# Altium PCB CSUEAF4_v2.0.PcbDoc (part 1 of 2)
Units mil, origin at the board's own origin, x right, y up, seen from the top; angles counter-clockwise.
Board outline 3947.04 x 3947.04 mil, 2 copper layers (Top Layer, Bottom Layer); 88 components, 107 nets, 436 pads, 170 vias.
Unrouted connection lines stored in the file: 67.
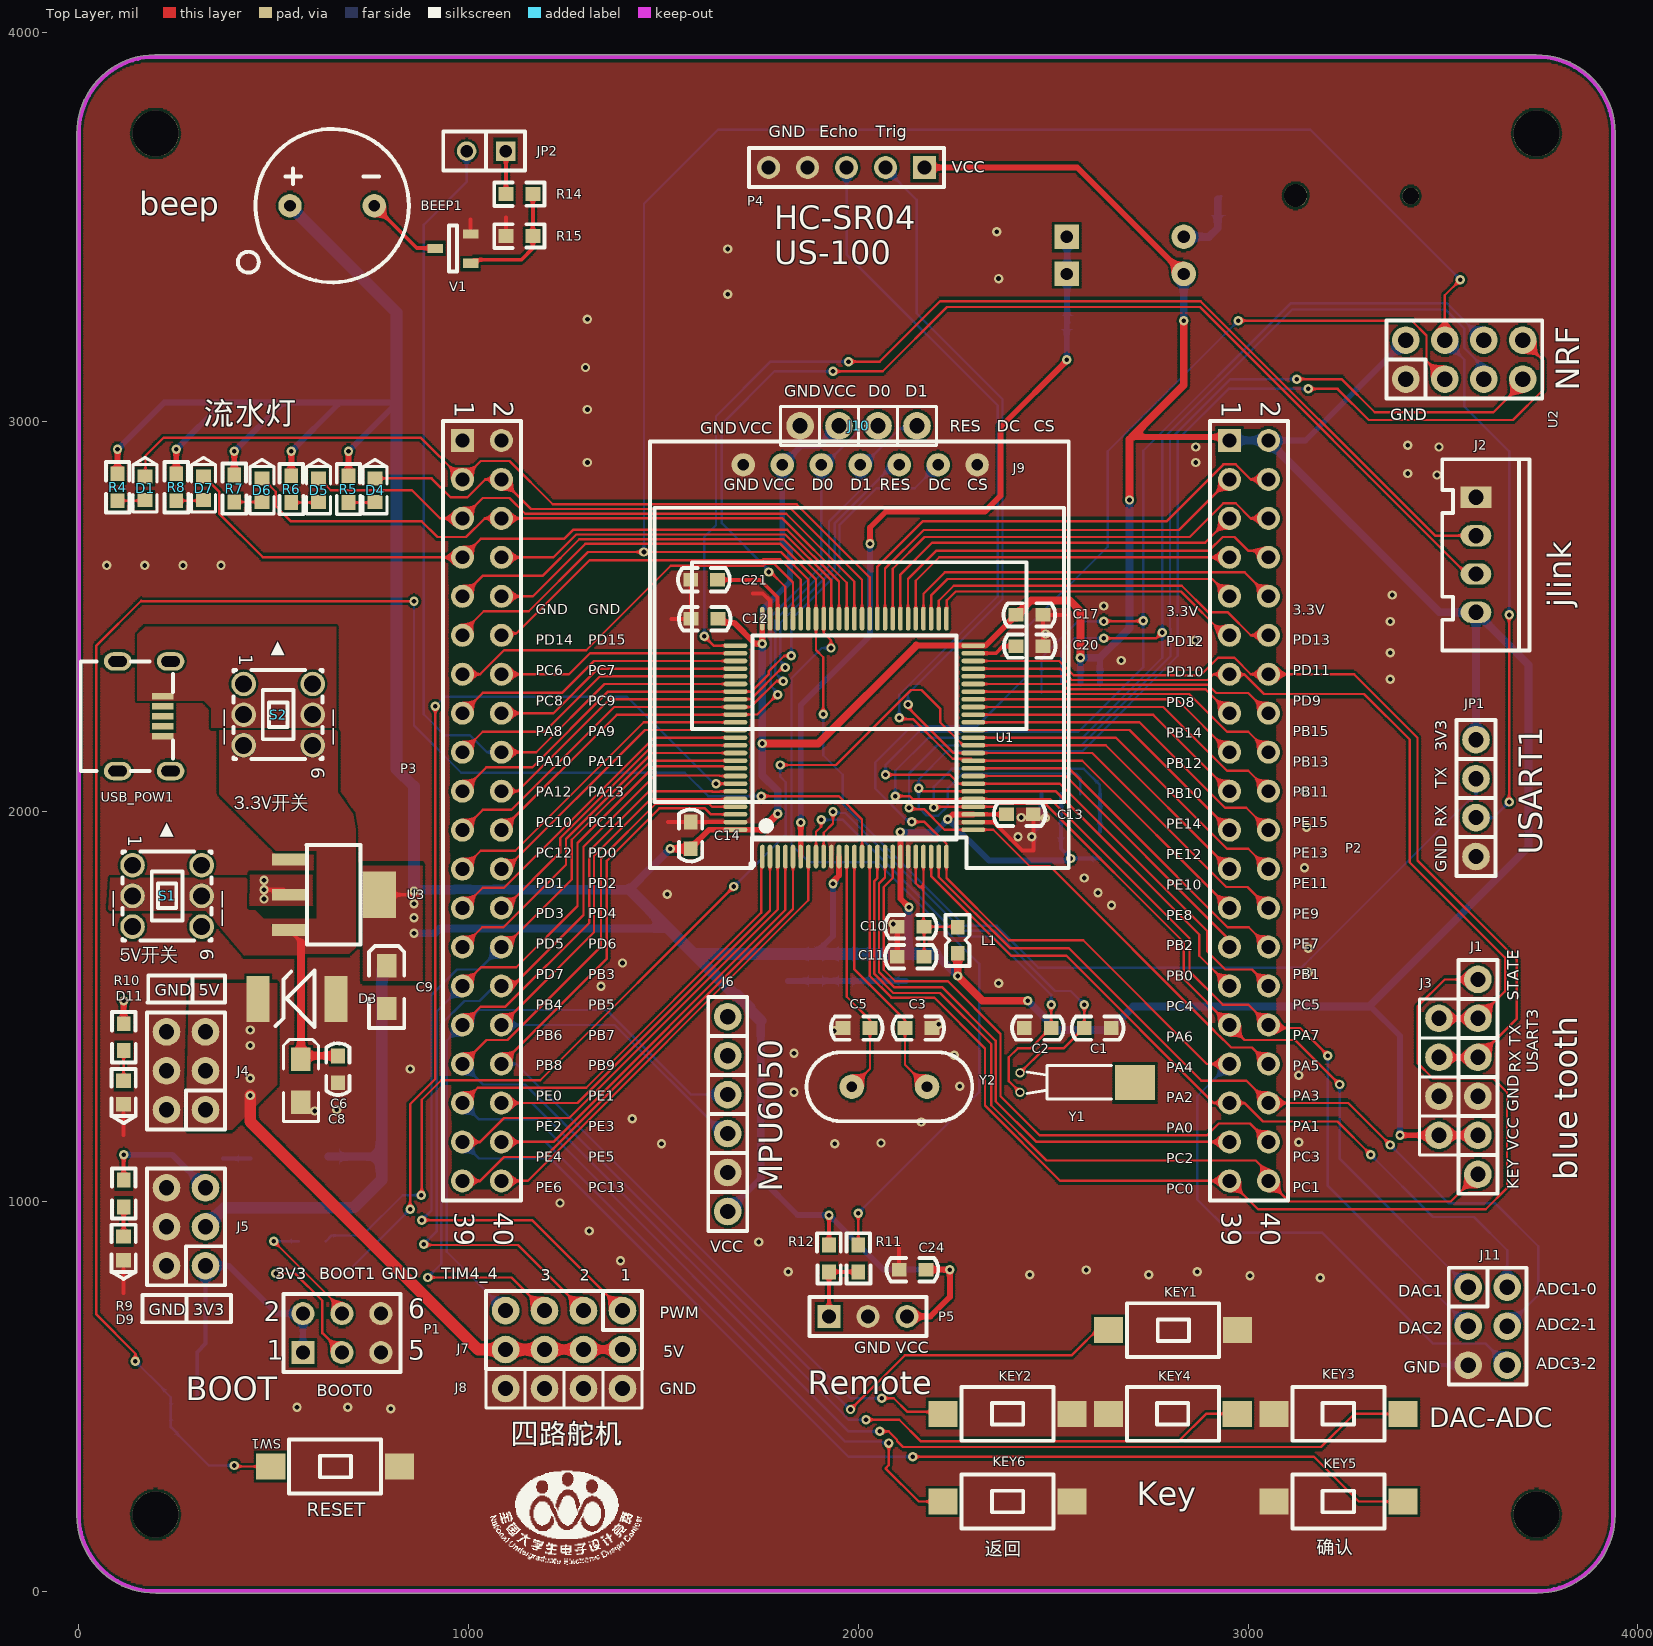
[diagram p0: Top Layer view]
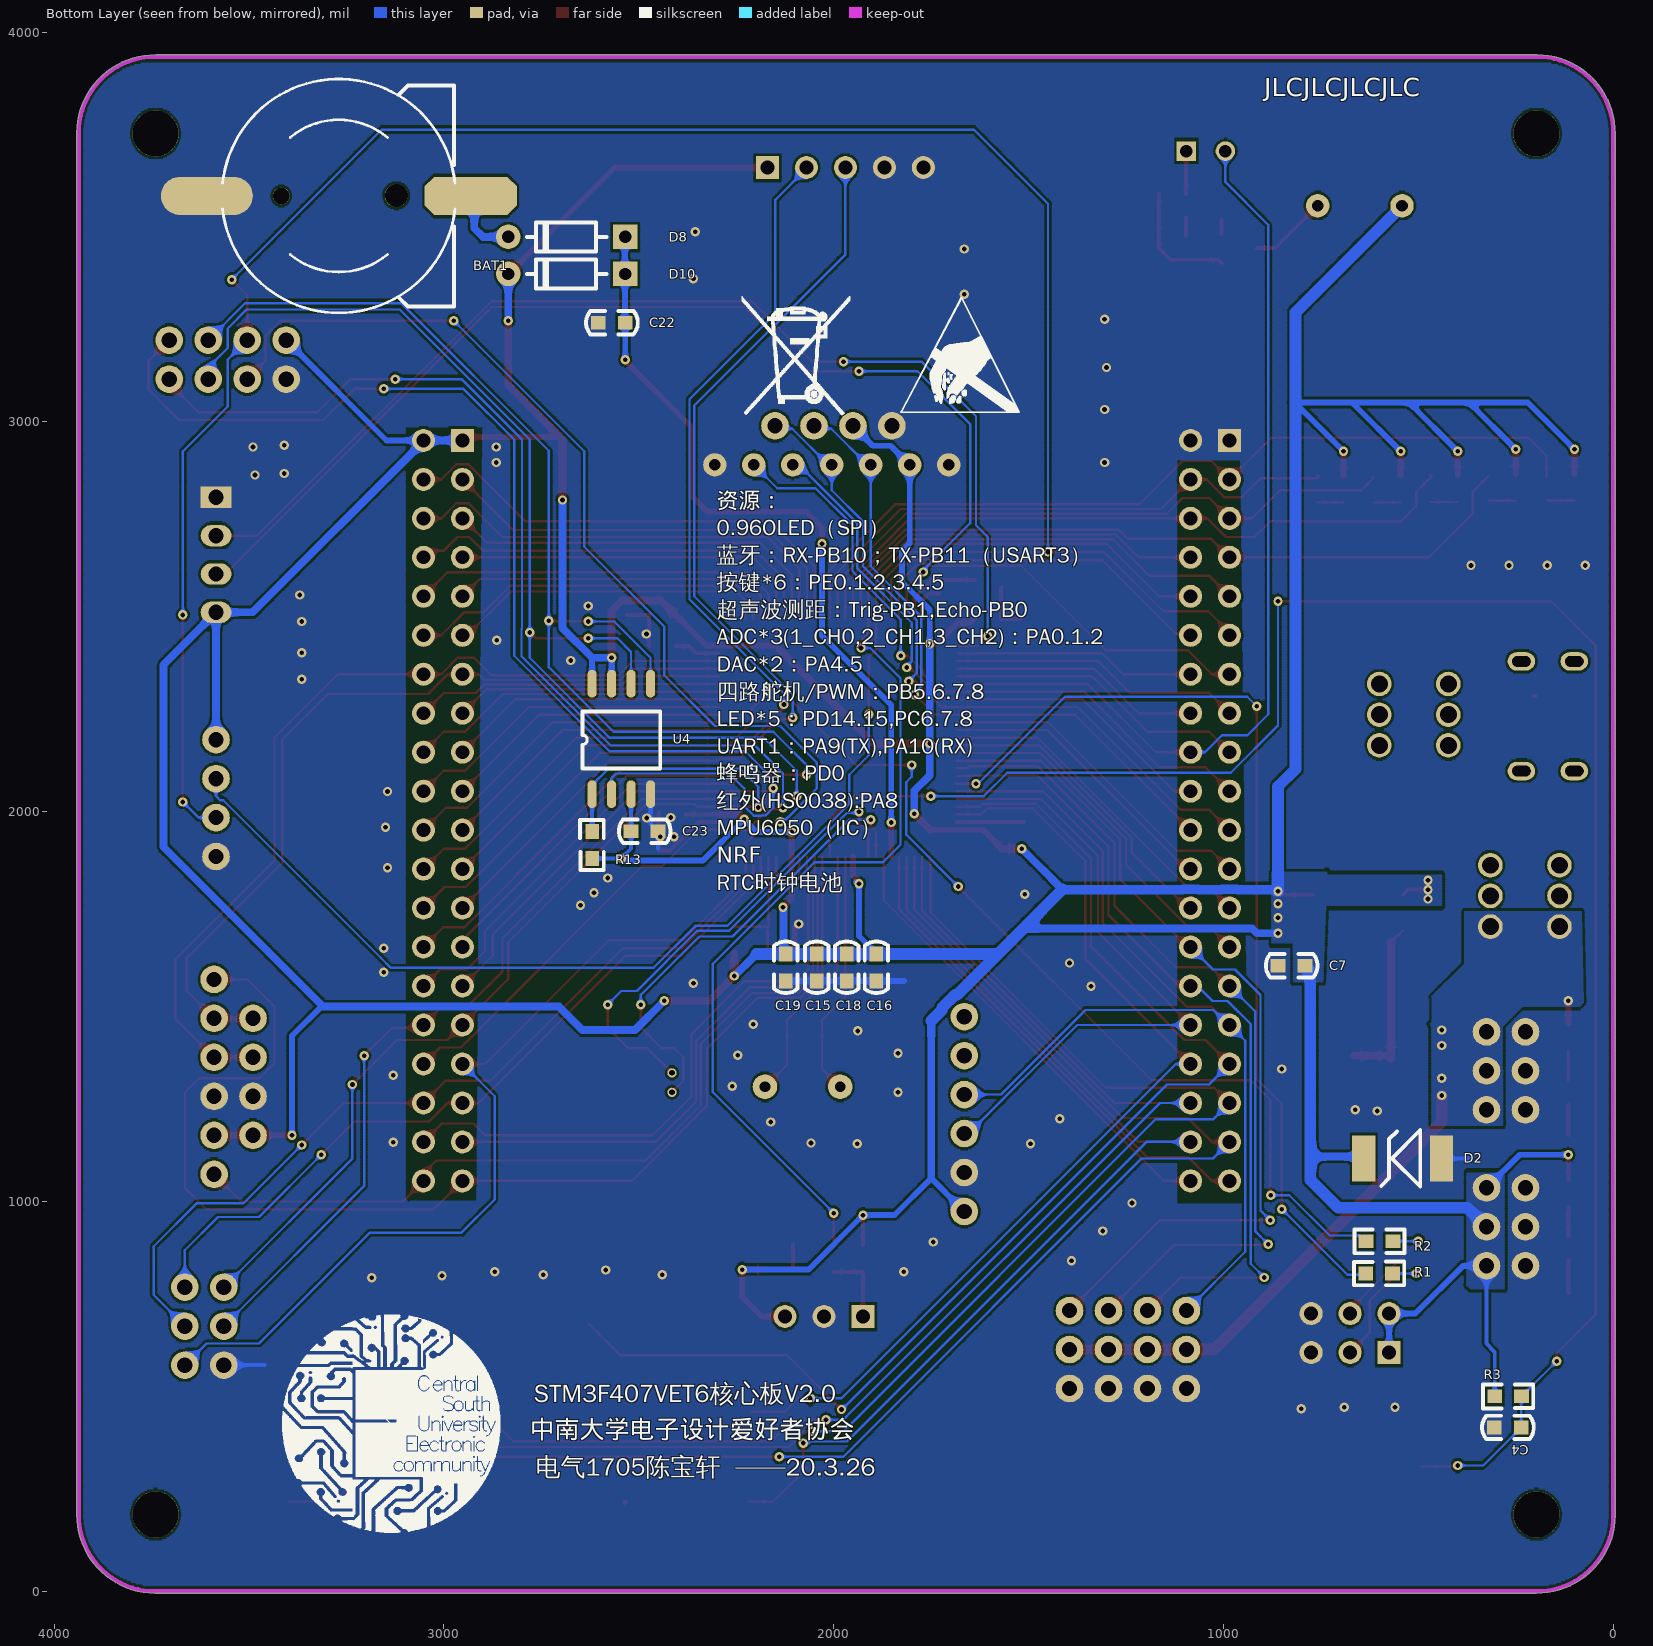
[diagram p1: Bottom Layer view, seen from below]
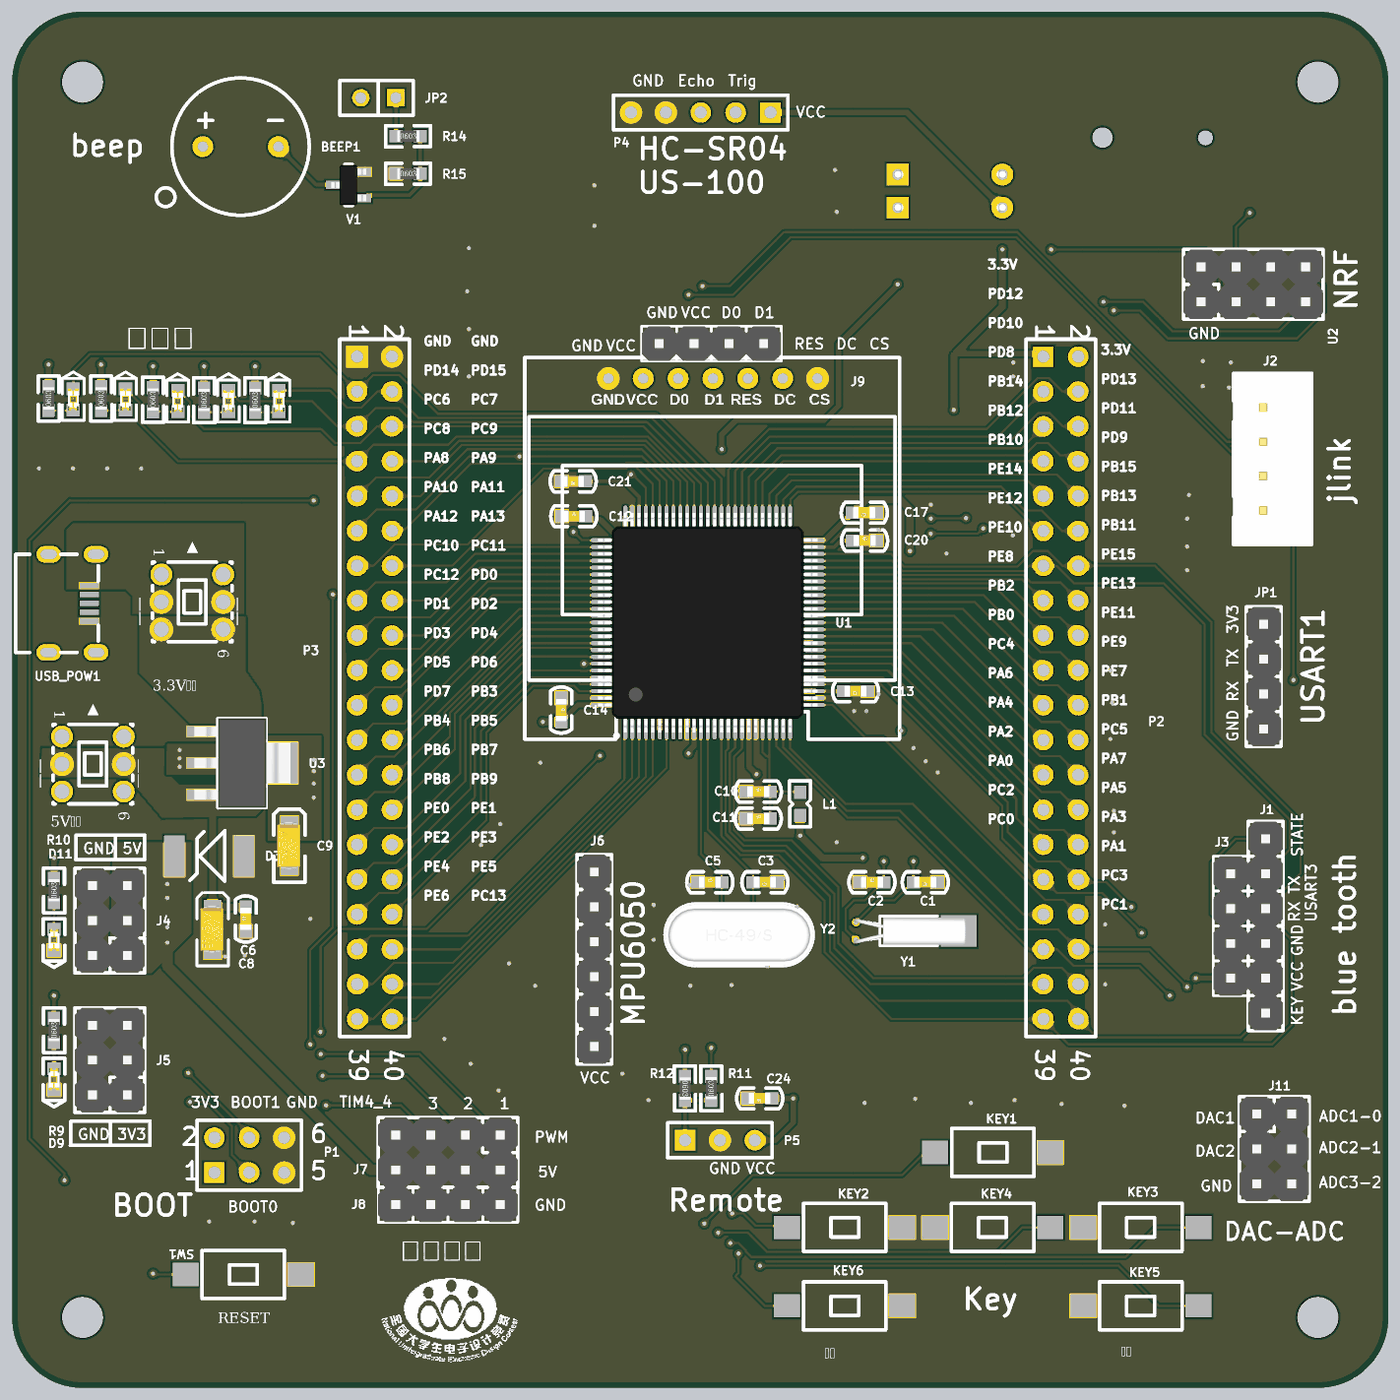
[diagram p3: 3D render of the assembled board from above, using the file's embedded part models]
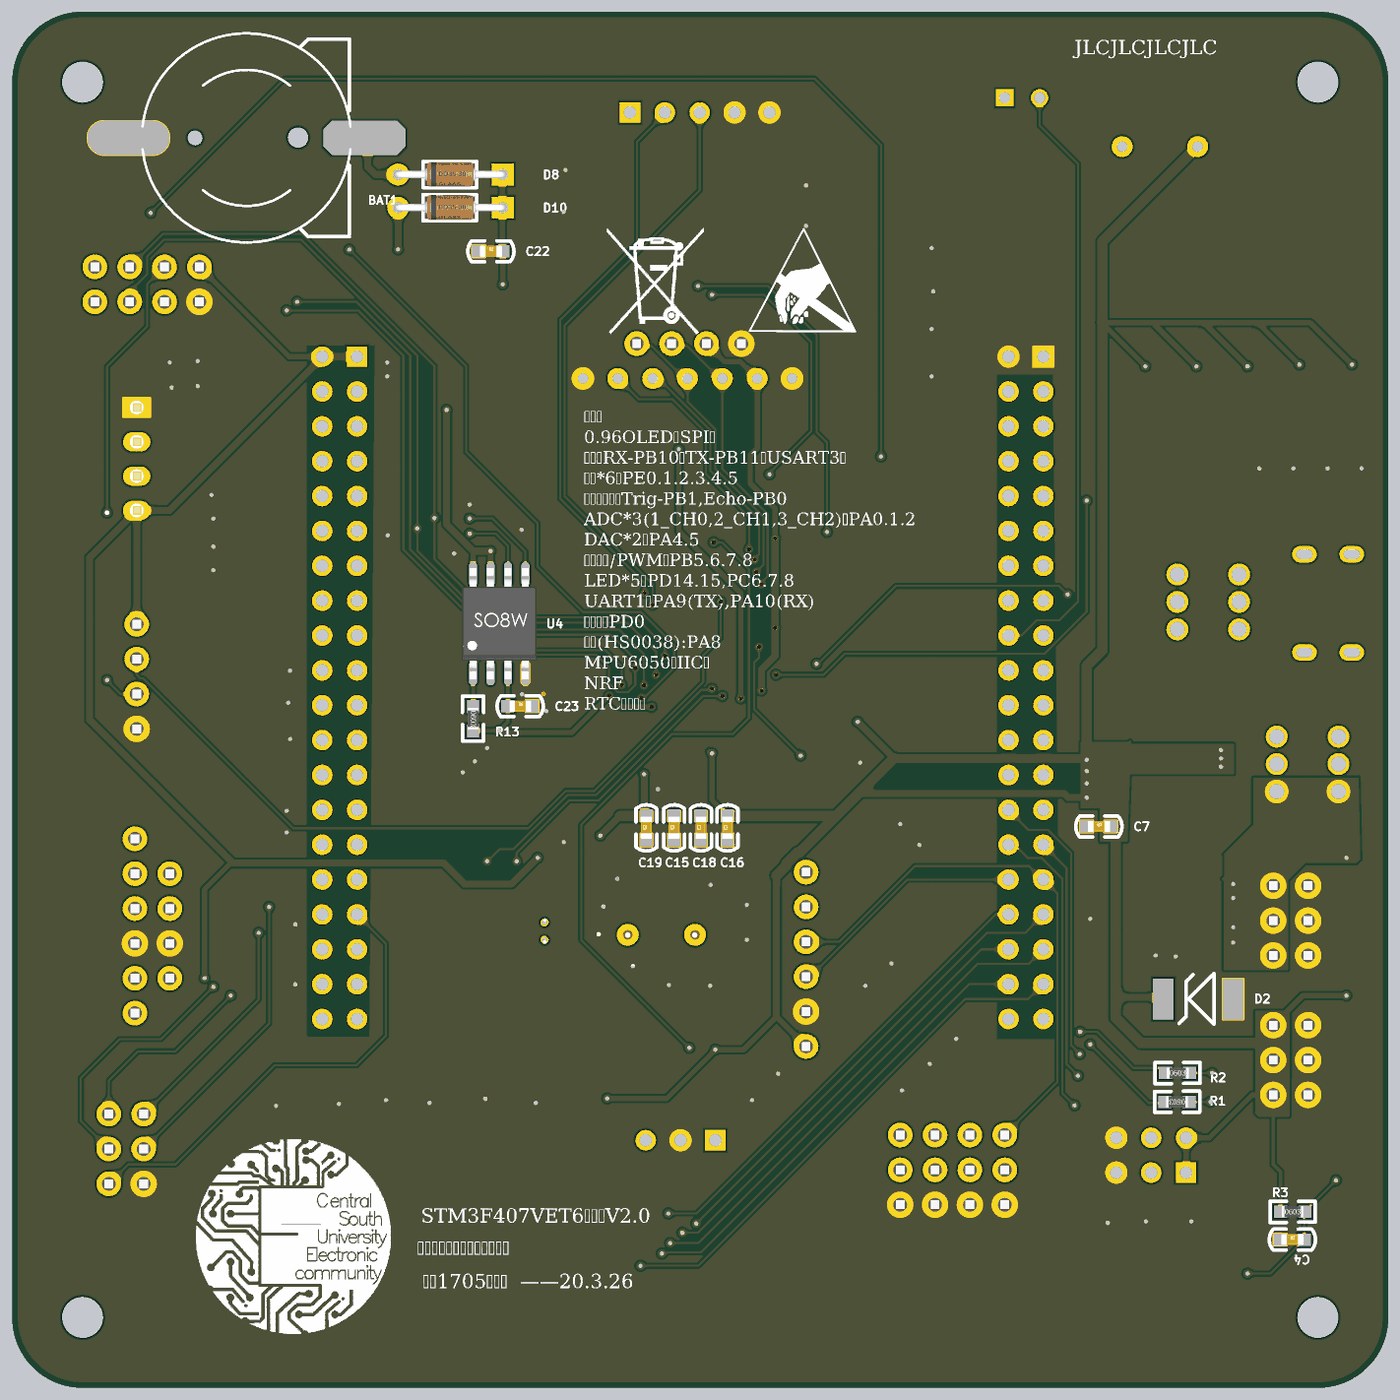
[diagram p4: 3D render of the assembled board from below, using the file's embedded part models]

## Layer stack, top to bottom
Top Solder: solder mask 0.4, Solder Resist, Dk 3.5
Top Layer: signal copper 1.4
Dielectric 1: dielectric 12.6, FR-4, Dk 4.8
Bottom Layer: signal copper 1.4
Bottom Solder: solder mask 0.4, Solder Resist, Dk 3.5

## Board outline
-5.01,194.97 cw(c0,195) -4.93,195.93 cw(c0,196.85) -5.01,196.85 -5.01,3739.98 cw(c196,3741) 194.97,3942.02 cw(c195,3937.01) 195.93,3941.94 cw(c196.85,3937.01) 196.85,3942.02 3739.98,3942.02 cw(c3741,3741) 3942.02,3742.03 cw(c3937.01,3742.01) 3942.02,3742.01 cw(c3937.01,3742.01) 3941.94,3741.08 cw(c3937.01,3740.16) 3942.02,3740.16 3942.02,197.03 ccw(c3741,196) 3942.02,197.03 cw(c3741,196) 3942.03,196 cw(c3741,196) 3742.03,-5.01 cw(c3742.01,0) 3741.08,-4.93 cw(c3740.16,0) 3740.16,-5.01 196.85,-5.01 197.03,-5.02 ccw(c197.01,0) 197.07,-5.01 197.03,-5.02 cw(c196,196)

## Design rules (kind name [scope] priority, off if disabled: settings)
Clearance ALL [All] p1: gap=6 ignorepadtopadclearanceinfootprint=FALSE
Clearance VIA-POLY [isvia vs inpolygon] p2: gap=6 ignorepadtopadclearanceinfootprint=FALSE
Clearance POLY [inpolygon] p3: gap=10 ignorepadtopadclearanceinfootprint=FALSE
PolygonConnect [InNetClass('POW')] p1: connectstyle=Direct reliefconductorwidth=18 reliefentries=4 polygonreliefangle="90 Angle" airgapwidth=10
RoutingVias [All] p1: holewidth=12 width=24 viastyle="Through Hole" minholewidth=12 minwidth=24 maxholewidth=12 maxwidth=24
SilkToSilkClearance [All] p1: silktosilkclearance=2
SilkToSolderMaskClearance [IsPad] p1: minsilkscreentomaskgap=2 clearancetoexposedcopper=TRUE
SolderMaskExpansion [All] p1: expansion=2.5
Width POW [InNetClass('POW')] p1: maxlimit=60 minlimit=15 preferedwidth=15
Width [All] p2: maxlimit=6 minlimit=6 preferedwidth=6
28 further rules are at their usual default settings.

## Classes and differential pairs
net class VCC: 3V3 5V VBAT VUSB
net class POW: 3V3 5V GND VBAT VUSB

## Components (designator, comment, footprint, x,y, rotation, side; value= is the part's Value field where it differs from the comment)
BAT1 "BATT" BATM 3270,3580 r90 bottom
BEEP1 "蜂鸣器" 蜂鸣器0905 650,3555 r0 top
C1 "15pF" C0603 2649,1445 r180 top value=22pF
C2 "15pF" C0603 2426,1445 r0 top value=22pF
C3 "22pF" C0603 2189,1445 r180 top
C4 "104" C0603 305,420 r180 bottom value=22pF
C5 "22pF" C0603 1961,1445 r0 top
C6 "104" C0603 665,1304.6 r90 top value=22pF
C7 "104" C0603 860,1605 r180 bottom value=22pF
C8 "钽电容106" 3216-ce 570,1365 r90 top value=100pF
C9 "钽电容106" 3216-ce 790,1605 r90 top value=100pF
C10 "106" C0603 2100,1705 r0 top value=22pF
C11 "106" C0603 2100,1627.76 r0 top value=22pF
C12 "104" C0603 1571,2495 r0 top value=22pF
C13 "104" C0603 2449,1993.15 r180 top value=22pF
C14 "104" C0603 1569.78,1974 r270 top value=22pF
C15 "电容" C0603 2043.51,1566 r90 bottom value=22pF
C16 "104" C0603 1890.44,1566 r90 bottom value=22pF
C17 "104" C0603 2474,2505 r180 top value=22pF
C18 "104" C0603 1966.66,1566 r90 bottom value=22pF
C19 "104" C0603 2122.8,1566 r90 bottom value=22pF
C20 "225" C0603 2405,2425 r0 top value=22pF
C21 "225" C0603 1639,2595 r180 top value=22pF
C22 "104" C0603 2604,3255 r180 bottom value=22pF
C23 "104" C0603 2520,1950 r180 bottom value=22pF
C24 "104" C0603 2174,825 r180 top value=22pF
D1 "LED" "LED 0603B" 170,2830 r270 top
D2 "SMBJ3.3A" SMBJ 535,1110 r0 bottom
D3 "SMBJ5.0A" SMBJ 565,1520 r180 top
D4 "LED" "LED 0603B" 760,2825 r270 top
D5 "LED" "LED 0603B" 615,2825 r270 top
D6 "LED" "LED 0603B" 470,2825 r270 top
D7 "LED" "LED 0603B" 320,2830 r270 top
D8 "1N4148" DO-35 2685,3475 r180 bottom
D9 "LED" "LED 0603G" 115,879.68 r90 top
D10 "1N4148" DO-35 2685,3380 r180 bottom
D11 "LED" "LED 0603G" 115,1279.68 r90 top
J1 "SIP-6" 2.54排针1X6 3590,1369.69 r90 top
J2 "SIP-4" 2.54XH接插件4P 3585,2806.85 r270 top
J3 "SIP-4" 2.54排针1X4 3490,1169.69 r270 top
J4 "PIN-6" 2.54排针2X3 325,1235 r90 top
J5 "PIN-6" 2.54排针2X3 325,835 r90 top
J6 "MPU6050" 2.54排针1X6 1665,1174.23 r270 top
J7 "TIM4_1234" 2.54排针2X4#1 1395,720 r180 top
J8 "SIP-4" 2.54排针1X4 1095,520 r180 top
J9 "0.96OLED" "OLED 0.96-SPI _无定位孔" 1705,2890 r0 top
J10 "SIP-4" 2.54排针1X4 1850.63,2990 r180 top
J11 "DAC_ADC" 2.54排针2X3 3565,780 r270 top
JP1 "SIP-4" 2.54排针1X4 3585,1885 r270 top
JP2 "JX2" SIP2 1095,3695 r180 top
KEY1 "SW" 按键微动开关3*6 2810,670 r0 top
KEY2 "SW" 按键微动开关3*6 2385,455 r0 top
KEY3 "SW" 按键微动开关3*6 3230,455 r180 top
KEY4 "SW" 按键微动开关3*6 2805,455 r180 top
KEY5 "SW" 按键微动开关3*6 3230,230 r180 top
KEY6 "SW" 按键微动开关3*6 2385,230 r0 top
L1 "10uH" L0603 2255,1675.55 r270 top
P1 "Header 3X2" HDR2X3 575,612.23 r0 top
P2 "Header 20X2" HDR2X20 2952.76,2952.76 r270 top
P3 "Header 20X2" HDR2X20 984.25,2952.76 r270 top
P4 "HC-SR04/US-100" HDR1X5 2170,3652.97 r180 top
P5 "HS0038" HDR1X3 1925,705 r0 top
R1 "10K" R0603 566,815 r0 bottom value=150R
R2 "10K" R0603 634,898 r180 bottom value=150R
R3 "10K" R0603 304,500 r180 bottom value=150R
R4 "电阻" R0603 99.37,2798 r90 top value=150R
R5 "电阻" R0603 691.84,2793.26 r90 top value=150R